# KiCad board panel.opm-lowside.kicad_pcb (continued)
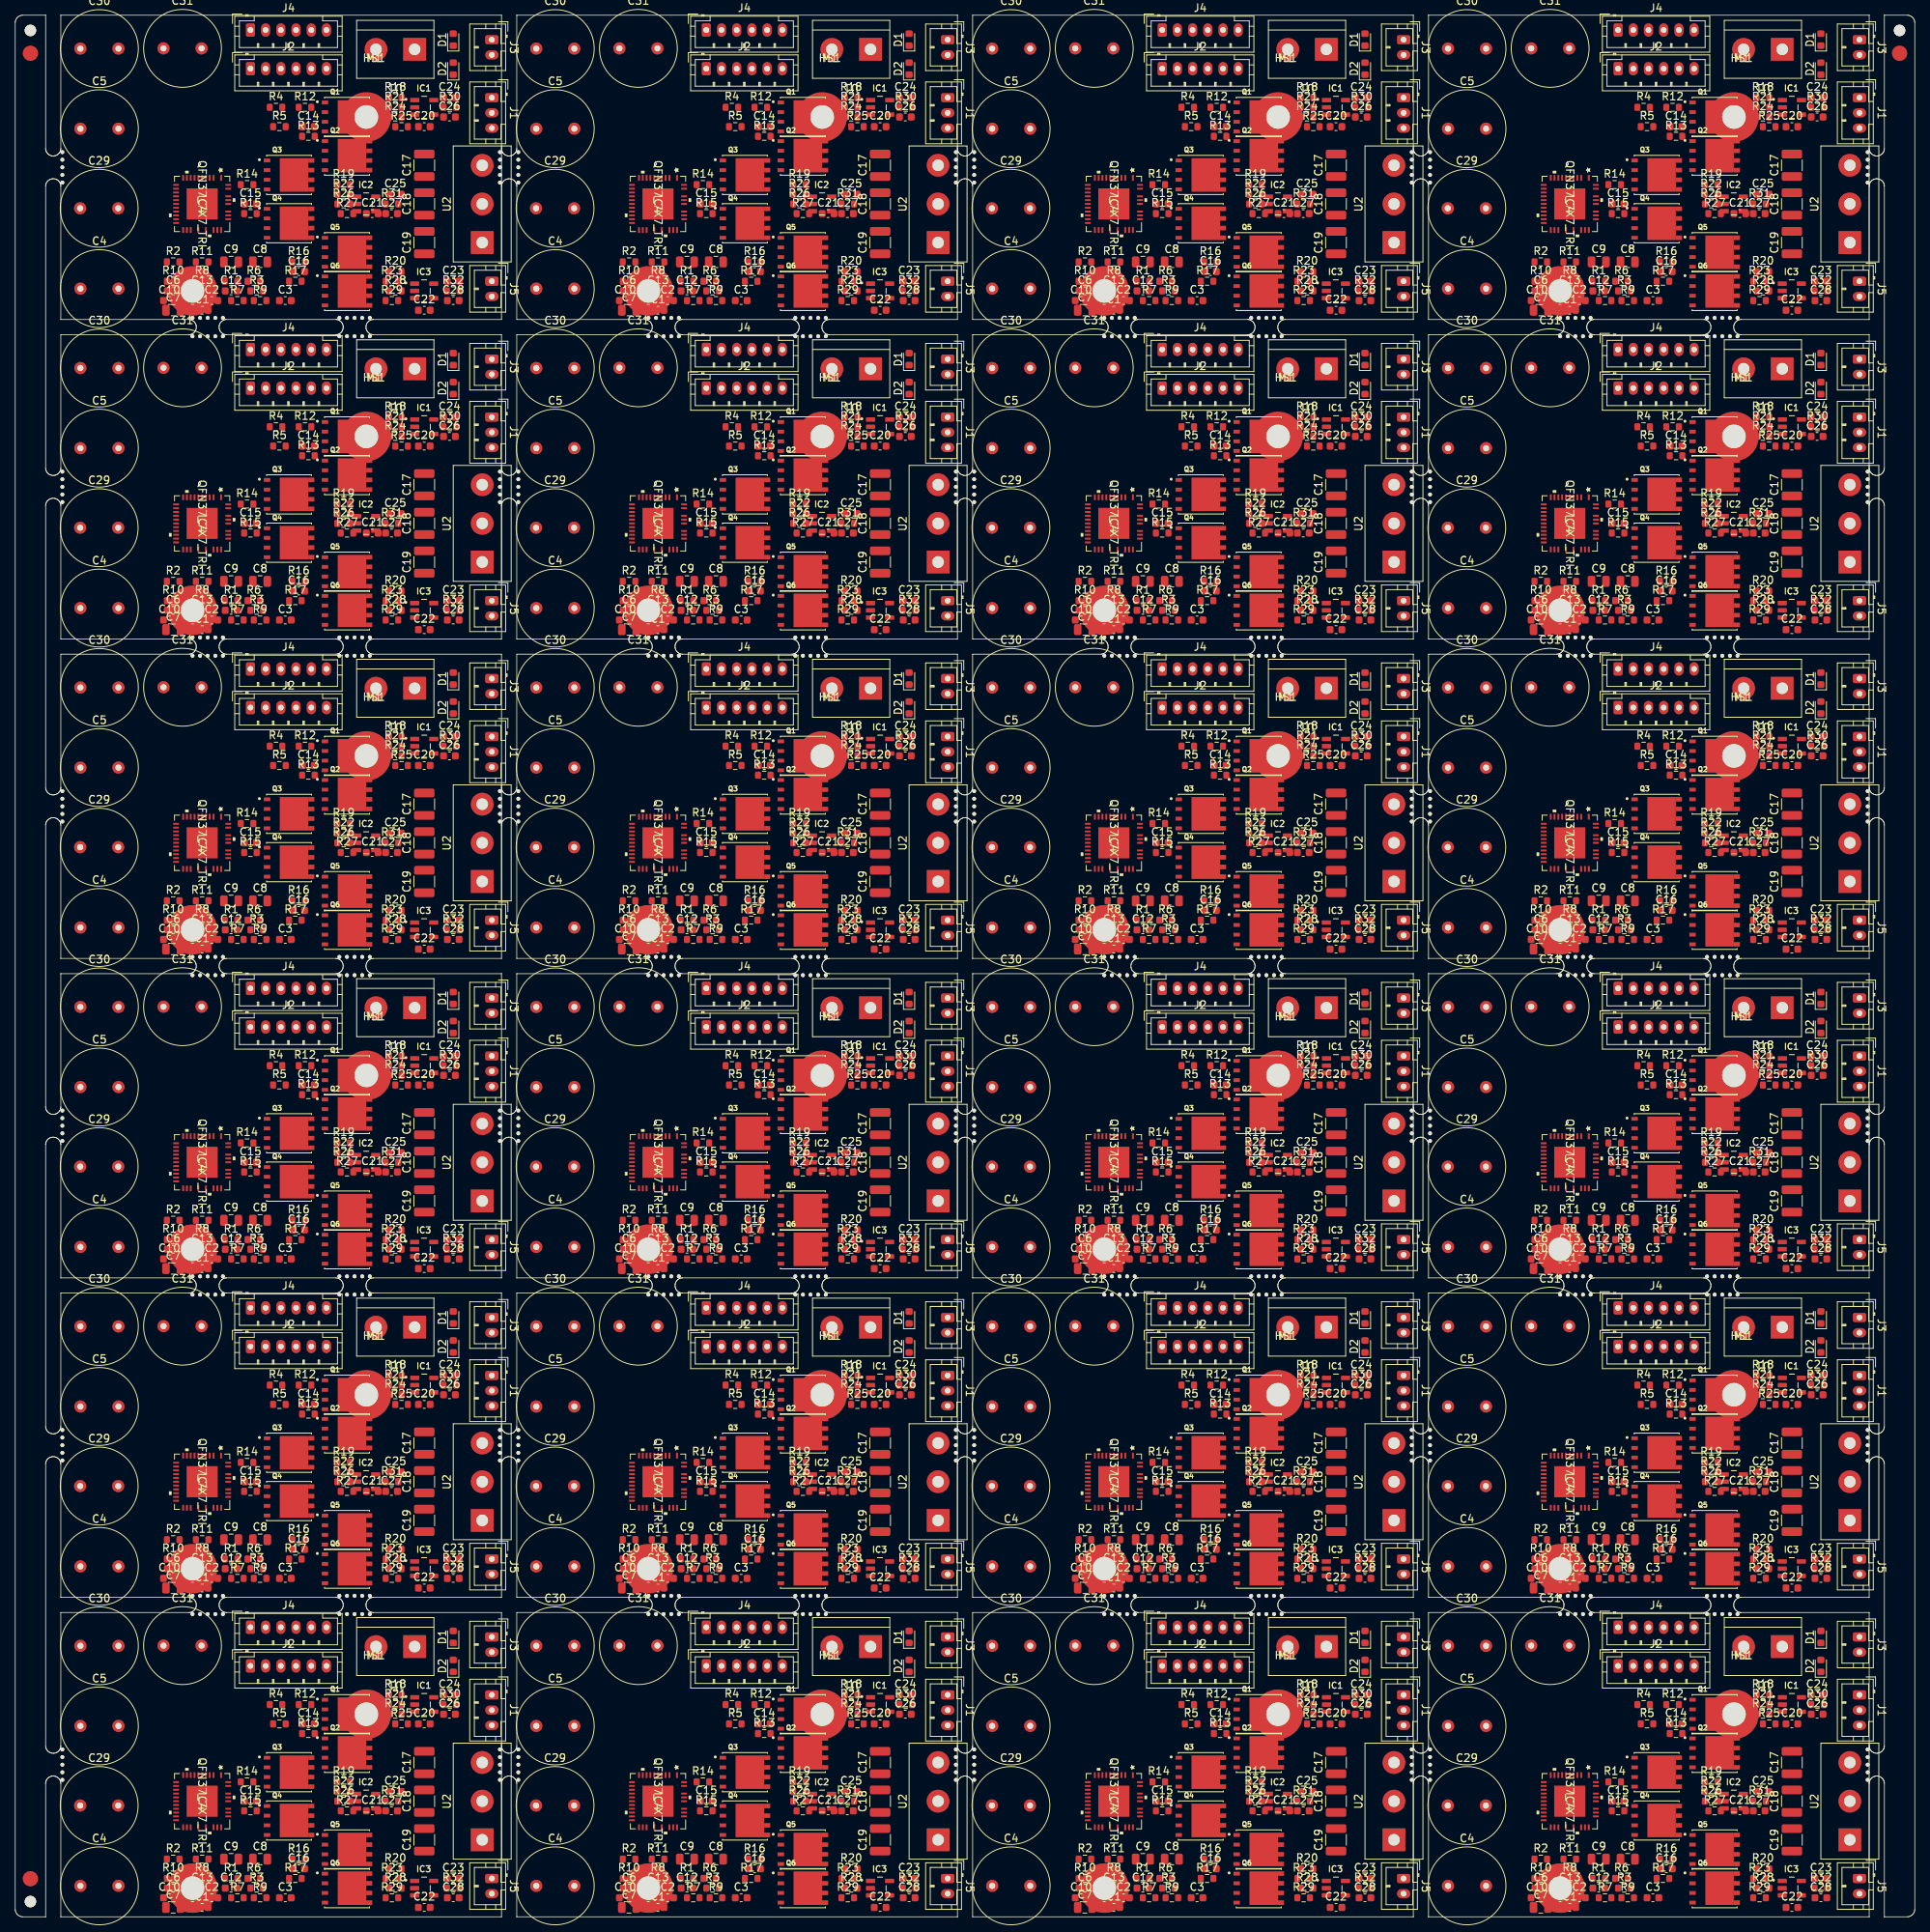
[diagram p0: board, top side]
## Nets (continued)
Board_18-Net-(C16-Pad1): C16#19.1 IC4#19.32 Q5#19.5 Q5#19.6 Q5#19.7 Q5#19.8 Q6#19.1 Q6#19.2 Q6#19.3
Board_18-Net-(C16-Pad2): C16#19.2 IC4#19.30
Board_18-Net-(C20-Pad1): C20#19.1 IC1#19.3 R24#19.1
Board_18-Net-(C20-Pad2): C20#19.2 IC1#19.4 R25#19.1
Board_18-Net-(C21-Pad1): C21#19.1 IC2#19.3 R26#19.1
Board_18-Net-(C21-Pad2): C21#19.2 IC2#19.4 R27#19.1
Board_18-Net-(C22-Pad1): C22#19.1 IC3#19.3 R28#19.1
Board_18-Net-(C22-Pad2): C22#19.2 IC3#19.4 R29#19.1
Board_18-Net-(C23-Pad2): C23#19.2 IC3#19.5
Board_18-Net-(C24-Pad2): C24#19.2 IC1#19.5
Board_18-Net-(C25-Pad2): C25#19.2 IC2#19.5
Board_18-Net-(D1-Pad2): D1#19.2 R4#19.1
Board_18-Net-(D2-Pad2): D2#19.2 R5#19.1
Board_18-Net-(IC1-Pad1): IC1#19.1 R30#19.2
Board_18-Net-(IC2-Pad1): IC2#19.1 R31#19.2
Board_18-Net-(IC3-Pad1): IC3#19.1 R32#19.2
Board_18-Net-(IC4-Pad2): IC4#19.2
Board_18-Net-(IC4-Pad3): IC4#19.3 R17#19.2
Board_18-Net-(IC4-Pad4): IC4#19.4 R15#19.2
Board_18-Net-(IC4-Pad5): IC4#19.5 R13#19.2
Board_18-Net-(IC4-Pad21): IC4#19.21 R11#19.1
Board_18-Net-(IC4-Pad31): IC4#19.31 R16#19.2
Board_18-Net-(IC4-Pad34): IC4#19.34 R14#19.2
Board_18-Net-(IC4-Pad37): IC4#19.37 R12#19.2
Board_18-Net-(Q1-Pad4): Q1#19.4 R12#19.1
Board_18-Net-(Q2-Pad4): Q2#19.4 R13#19.1
Board_18-Net-(Q2-Pad5): Q2#19.5 Q2#19.6 Q2#19.7 Q2#19.8 R18#19.1 R21#19.1 R24#19.2
Board_18-Net-(Q3-Pad4): Q3#19.4 R14#19.1
Board_18-Net-(Q4-Pad4): Q4#19.4 R15#19.1
Board_18-Net-(Q4-Pad5): Q4#19.5 Q4#19.6 Q4#19.7 Q4#19.8 R19#19.1 R22#19.1 R26#19.2
Board_18-Net-(Q5-Pad4): Q5#19.4 R16#19.1
Board_18-Net-(Q6-Pad4): Q6#19.4 R17#19.1
Board_18-Net-(Q6-Pad5): Q6#19.5 Q6#19.6 Q6#19.7 Q6#19.8 R20#19.1 R23#19.1 R28#19.2
Board_18-Net-(R1-Pad1): R1#19.1
Board_18-Net-(R1-Pad2): R1#19.2 R2#19.1
Board_18-Net-(R10-Pad2): R10#19.2
Board_18-Net-(R20-Pad2): R20#19.2 R23#19.2 R29#19.2
Board_18-U-IA-IDC: C26#19.1 R30#19.1
Board_18-V-IA-IDC: C27#19.1 R31#19.1
Board_18-W-IA-IDC: C28#19.1 R32#19.1
Board_19-+5V: C1#20.2 C2#20.2 C3#20.2 C4#20.2 C5#20.2 C6#20.2 C7#20.2 C8#20.2 C9#20.2 C10#20.2 C12#20.1 C17#20.2 C18#20.2 C19#20.2 C23#20.1 C24#20.1 C25#20.1 C26#20.2 C27#20.2 C28#20.2 C29#20.2 C30#20.2 C31#20.2 D1#20.1 D2#20.1 IC1#20.2 IC2#20.2 IC3#20.2 IC4#20.8 IC4#20.9 J3#20.2 J5#20.2 R3#20.2 R7#20.2 R9#20.2 R11#20.2 R18#20.2 R19#20.2 R21#20.2 R22#20.2 R25#20.2 R27#20.2 U1#20.1
Board_19-/+VM: C4#20.1 C5#20.1 C12#20.2 C13#20.2 C17#20.1 C18#20.1 C19#20.1 C29#20.1 C30#20.1 C31#20.1 IC4#20.28 Q1#20.1 Q1#20.2 Q1#20.3 Q3#20.1 Q3#20.2 Q3#20.3 Q5#20.1 Q5#20.2 Q5#20.3 U1#20.2
Board_19-/ADC_I_u: J1#20.1
Board_19-/ADC_I_w: J1#20.3
Board_19-/Connectors/ADC_I_v: J1#20.2
Board_19-/Connectors/FAULT: J2#20.6
Board_19-/Connectors/Fault: R5#20.2
Board_19-/Connectors/SPI1_MISO: J2#20.4
Board_19-/Connectors/SPI1_MOSI: J2#20.3
Board_19-/Connectors/SPI1_SCK: J2#20.2
Board_19-/Connectors/VOFS: R6#20.2 R7#20.1
Board_19-/DRV_EN: IC4#20.24 J2#20.5
Board_19-/Fault: IC4#20.23
Board_19-/Motor Driver/SPI2_MISO: IC4#20.13
Board_19-/SPE: IC4#20.22 R8#20.2 R9#20.1
Board_19-/SPI2_MOSI: IC4#20.12
Board_19-/SPI2_SCK: IC4#20.11
Board_19-/U: C3#20.1 U2#20.3
Board_19-/UH: IC4#20.14 J4#20.6
Board_19-/UL: IC4#20.15 J4#20.5
Board_19-/V: C2#20.1 U2#20.2
Board_19-/VCP: C13#20.1 IC4#20.29
Board_19-/VH: IC4#20.17 J4#20.4
Board_19-/VL: IC4#20.18 J4#20.3
Board_19-/VSA: C7#20.1 IC4#20.25 R10#20.1
Board_19-/W: C1#20.1 U2#20.1
Board_19-/WH: IC4#20.19 J4#20.2
Board_19-/WL: IC4#20.20 J4#20.1
Board_19-/~{CS_DRIVER}: IC4#20.10 J2#20.1
Board_19-Net-(C6-Pad1): C6#20.1 J5#20.1 R2#20.2 R3#20.1
Board_19-Net-(C11-Pad1): C11#20.1 IC4#20.27
Board_19-Net-(C11-Pad2): C11#20.2 IC4#20.26
Board_19-Net-(C14-Pad1): C14#20.1 IC4#20.36 Q1#20.5 Q1#20.6 Q1#20.7 Q1#20.8 Q2#20.1 Q2#20.2 Q2#20.3
Board_19-Net-(C14-Pad2): C14#20.2 IC4#20.1
Board_19-Net-(C15-Pad1): C15#20.1 IC4#20.33 Q3#20.5 Q3#20.6 Q3#20.7 Q3#20.8 Q4#20.1 Q4#20.2 Q4#20.3
Board_19-Net-(C15-Pad2): C15#20.2 IC4#20.35
Board_19-Net-(C16-Pad1): C16#20.1 IC4#20.32 Q5#20.5 Q5#20.6 Q5#20.7 Q5#20.8 Q6#20.1 Q6#20.2 Q6#20.3
Board_19-Net-(C16-Pad2): C16#20.2 IC4#20.30
Board_19-Net-(C20-Pad1): C20#20.1 IC1#20.3 R24#20.1
Board_19-Net-(C20-Pad2): C20#20.2 IC1#20.4 R25#20.1
Board_19-Net-(C21-Pad1): C21#20.1 IC2#20.3 R26#20.1
Board_19-Net-(C21-Pad2): C21#20.2 IC2#20.4 R27#20.1
Board_19-Net-(C22-Pad1): C22#20.1 IC3#20.3 R28#20.1
Board_19-Net-(C22-Pad2): C22#20.2 IC3#20.4 R29#20.1
Board_19-Net-(C23-Pad2): C23#20.2 IC3#20.5
Board_19-Net-(C24-Pad2): C24#20.2 IC1#20.5
Board_19-Net-(C25-Pad2): C25#20.2 IC2#20.5
Board_19-Net-(D1-Pad2): D1#20.2 R4#20.1
Board_19-Net-(D2-Pad2): D2#20.2 R5#20.1
Board_19-Net-(IC1-Pad1): IC1#20.1 R30#20.2
Board_19-Net-(IC2-Pad1): IC2#20.1 R31#20.2
Board_19-Net-(IC3-Pad1): IC3#20.1 R32#20.2
Board_19-Net-(IC4-Pad2): IC4#20.2
Board_19-Net-(IC4-Pad3): IC4#20.3 R17#20.2
Board_19-Net-(IC4-Pad4): IC4#20.4 R15#20.2
Board_19-Net-(IC4-Pad5): IC4#20.5 R13#20.2
Board_19-Net-(IC4-Pad21): IC4#20.21 R11#20.1
Board_19-Net-(IC4-Pad31): IC4#20.31 R16#20.2
Board_19-Net-(IC4-Pad34): IC4#20.34 R14#20.2
Board_19-Net-(IC4-Pad37): IC4#20.37 R12#20.2
Board_19-Net-(Q1-Pad4): Q1#20.4 R12#20.1
Board_19-Net-(Q2-Pad4): Q2#20.4 R13#20.1
Board_19-Net-(Q2-Pad5): Q2#20.5 Q2#20.6 Q2#20.7 Q2#20.8 R18#20.1 R21#20.1 R24#20.2
Board_19-Net-(Q3-Pad4): Q3#20.4 R14#20.1
Board_19-Net-(Q4-Pad4): Q4#20.4 R15#20.1
Board_19-Net-(Q4-Pad5): Q4#20.5 Q4#20.6 Q4#20.7 Q4#20.8 R19#20.1 R22#20.1 R26#20.2
Board_19-Net-(Q5-Pad4): Q5#20.4 R16#20.1
Board_19-Net-(Q6-Pad4): Q6#20.4 R17#20.1
Board_19-Net-(Q6-Pad5): Q6#20.5 Q6#20.6 Q6#20.7 Q6#20.8 R20#20.1 R23#20.1 R28#20.2
Board_19-Net-(R1-Pad1): R1#20.1
Board_19-Net-(R1-Pad2): R1#20.2 R2#20.1
Board_19-Net-(R10-Pad2): R10#20.2
Board_19-Net-(R20-Pad2): R20#20.2 R23#20.2 R29#20.2
Board_19-U-IA-IDC: C26#20.1 R30#20.1
Board_19-V-IA-IDC: C27#20.1 R31#20.1
Board_19-W-IA-IDC: C28#20.1 R32#20.1
Board_20-+5V: C1#21.2 C2#21.2 C3#21.2 C4#21.2 C5#21.2 C6#21.2 C7#21.2 C8#21.2 C9#21.2 C10#21.2 C12#21.1 C17#21.2 C18#21.2 C19#21.2 C23#21.1 C24#21.1 C25#21.1 C26#21.2 C27#21.2 C28#21.2 C29#21.2 C30#21.2 C31#21.2 D1#21.1 D2#21.1 IC1#21.2 IC2#21.2 IC3#21.2 IC4#21.8 IC4#21.9 J3#21.2 J5#21.2 R3#21.2 R7#21.2 R9#21.2 R11#21.2 R18#21.2 R19#21.2 R21#21.2 R22#21.2 R25#21.2 R27#21.2 U1#21.1
Board_20-/+VM: C4#21.1 C5#21.1 C12#21.2 C13#21.2 C17#21.1 C18#21.1 C19#21.1 C29#21.1 C30#21.1 C31#21.1 IC4#21.28 Q1#21.1 Q1#21.2 Q1#21.3 Q3#21.1 Q3#21.2 Q3#21.3 Q5#21.1 Q5#21.2 Q5#21.3 U1#21.2
Board_20-/ADC_I_u: J1#21.1
Board_20-/ADC_I_w: J1#21.3
Board_20-/Connectors/ADC_I_v: J1#21.2
Board_20-/Connectors/FAULT: J2#21.6
Board_20-/Connectors/Fault: R5#21.2
Board_20-/Connectors/SPI1_MISO: J2#21.4
Board_20-/Connectors/SPI1_MOSI: J2#21.3
Board_20-/Connectors/SPI1_SCK: J2#21.2
Board_20-/Connectors/VOFS: R6#21.2 R7#21.1
Board_20-/DRV_EN: IC4#21.24 J2#21.5
Board_20-/Fault: IC4#21.23
Board_20-/Motor Driver/SPI2_MISO: IC4#21.13
Board_20-/SPE: IC4#21.22 R8#21.2 R9#21.1
Board_20-/SPI2_MOSI: IC4#21.12
Board_20-/SPI2_SCK: IC4#21.11
Board_20-/U: C3#21.1 U2#21.3
Board_20-/UH: IC4#21.14 J4#21.6
Board_20-/UL: IC4#21.15 J4#21.5
Board_20-/V: C2#21.1 U2#21.2
Board_20-/VCP: C13#21.1 IC4#21.29
Board_20-/VH: IC4#21.17 J4#21.4
Board_20-/VL: IC4#21.18 J4#21.3
Board_20-/VSA: C7#21.1 IC4#21.25 R10#21.1
Board_20-/W: C1#21.1 U2#21.1
Board_20-/WH: IC4#21.19 J4#21.2
Board_20-/WL: IC4#21.20 J4#21.1
Board_20-/~{CS_DRIVER}: IC4#21.10 J2#21.1
Board_20-Net-(C6-Pad1): C6#21.1 J5#21.1 R2#21.2 R3#21.1
Board_20-Net-(C11-Pad1): C11#21.1 IC4#21.27
Board_20-Net-(C11-Pad2): C11#21.2 IC4#21.26
Board_20-Net-(C14-Pad1): C14#21.1 IC4#21.36 Q1#21.5 Q1#21.6 Q1#21.7 Q1#21.8 Q2#21.1 Q2#21.2 Q2#21.3
Board_20-Net-(C14-Pad2): C14#21.2 IC4#21.1
Board_20-Net-(C15-Pad1): C15#21.1 IC4#21.33 Q3#21.5 Q3#21.6 Q3#21.7 Q3#21.8 Q4#21.1 Q4#21.2 Q4#21.3
Board_20-Net-(C15-Pad2): C15#21.2 IC4#21.35
Board_20-Net-(C16-Pad1): C16#21.1 IC4#21.32 Q5#21.5 Q5#21.6 Q5#21.7 Q5#21.8 Q6#21.1 Q6#21.2 Q6#21.3
Board_20-Net-(C16-Pad2): C16#21.2 IC4#21.30
Board_20-Net-(C20-Pad1): C20#21.1 IC1#21.3 R24#21.1
Board_20-Net-(C20-Pad2): C20#21.2 IC1#21.4 R25#21.1
Board_20-Net-(C21-Pad1): C21#21.1 IC2#21.3 R26#21.1
Board_20-Net-(C21-Pad2): C21#21.2 IC2#21.4 R27#21.1
Board_20-Net-(C22-Pad1): C22#21.1 IC3#21.3 R28#21.1
Board_20-Net-(C22-Pad2): C22#21.2 IC3#21.4 R29#21.1
Board_20-Net-(C23-Pad2): C23#21.2 IC3#21.5
Board_20-Net-(C24-Pad2): C24#21.2 IC1#21.5
Board_20-Net-(C25-Pad2): C25#21.2 IC2#21.5
Board_20-Net-(D1-Pad2): D1#21.2 R4#21.1
Board_20-Net-(D2-Pad2): D2#21.2 R5#21.1
Board_20-Net-(IC1-Pad1): IC1#21.1 R30#21.2
Board_20-Net-(IC2-Pad1): IC2#21.1 R31#21.2
Board_20-Net-(IC3-Pad1): IC3#21.1 R32#21.2
Board_20-Net-(IC4-Pad2): IC4#21.2
Board_20-Net-(IC4-Pad3): IC4#21.3 R17#21.2
Board_20-Net-(IC4-Pad4): IC4#21.4 R15#21.2
Board_20-Net-(IC4-Pad5): IC4#21.5 R13#21.2
Board_20-Net-(IC4-Pad21): IC4#21.21 R11#21.1
Board_20-Net-(IC4-Pad31): IC4#21.31 R16#21.2
Board_20-Net-(IC4-Pad34): IC4#21.34 R14#21.2
Board_20-Net-(IC4-Pad37): IC4#21.37 R12#21.2
Board_20-Net-(Q1-Pad4): Q1#21.4 R12#21.1
Board_20-Net-(Q2-Pad4): Q2#21.4 R13#21.1
Board_20-Net-(Q2-Pad5): Q2#21.5 Q2#21.6 Q2#21.7 Q2#21.8 R18#21.1 R21#21.1 R24#21.2
Board_20-Net-(Q3-Pad4): Q3#21.4 R14#21.1
Board_20-Net-(Q4-Pad4): Q4#21.4 R15#21.1
Board_20-Net-(Q4-Pad5): Q4#21.5 Q4#21.6 Q4#21.7 Q4#21.8 R19#21.1 R22#21.1 R26#21.2
Board_20-Net-(Q5-Pad4): Q5#21.4 R16#21.1
Board_20-Net-(Q6-Pad4): Q6#21.4 R17#21.1
Board_20-Net-(Q6-Pad5): Q6#21.5 Q6#21.6 Q6#21.7 Q6#21.8 R20#21.1 R23#21.1 R28#21.2
Board_20-Net-(R1-Pad1): R1#21.1
Board_20-Net-(R1-Pad2): R1#21.2 R2#21.1
Board_20-Net-(R10-Pad2): R10#21.2
Board_20-Net-(R20-Pad2): R20#21.2 R23#21.2 R29#21.2
Board_20-U-IA-IDC: C26#21.1 R30#21.1
Board_20-V-IA-IDC: C27#21.1 R31#21.1
Board_20-W-IA-IDC: C28#21.1 R32#21.1
Board_21-+5V: C1#22.2 C2#22.2 C3#22.2 C4#22.2 C5#22.2 C6#22.2 C7#22.2 C8#22.2 C9#22.2 C10#22.2 C12#22.1 C17#22.2 C18#22.2 C19#22.2 C23#22.1 C24#22.1 C25#22.1 C26#22.2 C27#22.2 C28#22.2 C29#22.2 C30#22.2 C31#22.2 D1#22.1 D2#22.1 IC1#22.2 IC2#22.2 IC3#22.2 IC4#22.8 IC4#22.9 J3#22.2 J5#22.2 R3#22.2 R7#22.2 R9#22.2 R11#22.2 R18#22.2 R19#22.2 R21#22.2 R22#22.2 R25#22.2 R27#22.2 U1#22.1
Board_21-/+VM: C4#22.1 C5#22.1 C12#22.2 C13#22.2 C17#22.1 C18#22.1 C19#22.1 C29#22.1 C30#22.1 C31#22.1 IC4#22.28 Q1#22.1 Q1#22.2 Q1#22.3 Q3#22.1 Q3#22.2 Q3#22.3 Q5#22.1 Q5#22.2 Q5#22.3 U1#22.2
Board_21-/ADC_I_u: J1#22.1
Board_21-/ADC_I_w: J1#22.3
Board_21-/Connectors/ADC_I_v: J1#22.2
Board_21-/Connectors/FAULT: J2#22.6
Board_21-/Connectors/Fault: R5#22.2
Board_21-/Connectors/SPI1_MISO: J2#22.4
Board_21-/Connectors/SPI1_MOSI: J2#22.3
Board_21-/Connectors/SPI1_SCK: J2#22.2
Board_21-/Connectors/VOFS: R6#22.2 R7#22.1
Board_21-/DRV_EN: IC4#22.24 J2#22.5
Board_21-/Fault: IC4#22.23
Board_21-/Motor Driver/SPI2_MISO: IC4#22.13
Board_21-/SPE: IC4#22.22 R8#22.2 R9#22.1
Board_21-/SPI2_MOSI: IC4#22.12
Board_21-/SPI2_SCK: IC4#22.11
Board_21-/U: C3#22.1 U2#22.3
Board_21-/UH: IC4#22.14 J4#22.6
Board_21-/UL: IC4#22.15 J4#22.5
Board_21-/V: C2#22.1 U2#22.2
Board_21-/VCP: C13#22.1 IC4#22.29
Board_21-/VH: IC4#22.17 J4#22.4
Board_21-/VL: IC4#22.18 J4#22.3
Board_21-/VSA: C7#22.1 IC4#22.25 R10#22.1
Board_21-/W: C1#22.1 U2#22.1
Board_21-/WH: IC4#22.19 J4#22.2
Board_21-/WL: IC4#22.20 J4#22.1
Board_21-/~{CS_DRIVER}: IC4#22.10 J2#22.1
Board_21-Net-(C6-Pad1): C6#22.1 J5#22.1 R2#22.2 R3#22.1
Board_21-Net-(C11-Pad1): C11#22.1 IC4#22.27
Board_21-Net-(C11-Pad2): C11#22.2 IC4#22.26
Board_21-Net-(C14-Pad1): C14#22.1 IC4#22.36 Q1#22.5 Q1#22.6 Q1#22.7 Q1#22.8 Q2#22.1 Q2#22.2 Q2#22.3
Board_21-Net-(C14-Pad2): C14#22.2 IC4#22.1
Board_21-Net-(C15-Pad1): C15#22.1 IC4#22.33 Q3#22.5 Q3#22.6 Q3#22.7 Q3#22.8 Q4#22.1 Q4#22.2 Q4#22.3
Board_21-Net-(C15-Pad2): C15#22.2 IC4#22.35
Board_21-Net-(C16-Pad1): C16#22.1 IC4#22.32 Q5#22.5 Q5#22.6 Q5#22.7 Q5#22.8 Q6#22.1 Q6#22.2 Q6#22.3
Board_21-Net-(C16-Pad2): C16#22.2 IC4#22.30
Board_21-Net-(C20-Pad1): C20#22.1 IC1#22.3 R24#22.1
Board_21-Net-(C20-Pad2): C20#22.2 IC1#22.4 R25#22.1
Board_21-Net-(C21-Pad1): C21#22.1 IC2#22.3 R26#22.1
Board_21-Net-(C21-Pad2): C21#22.2 IC2#22.4 R27#22.1
Board_21-Net-(C22-Pad1): C22#22.1 IC3#22.3 R28#22.1
Board_21-Net-(C22-Pad2): C22#22.2 IC3#22.4 R29#22.1
Board_21-Net-(C23-Pad2): C23#22.2 IC3#22.5
Board_21-Net-(C24-Pad2): C24#22.2 IC1#22.5
Board_21-Net-(C25-Pad2): C25#22.2 IC2#22.5
Board_21-Net-(D1-Pad2): D1#22.2 R4#22.1
Board_21-Net-(D2-Pad2): D2#22.2 R5#22.1
Board_21-Net-(IC1-Pad1): IC1#22.1 R30#22.2
Board_21-Net-(IC2-Pad1): IC2#22.1 R31#22.2
Board_21-Net-(IC3-Pad1): IC3#22.1 R32#22.2
Board_21-Net-(IC4-Pad2): IC4#22.2
Board_21-Net-(IC4-Pad3): IC4#22.3 R17#22.2
Board_21-Net-(IC4-Pad4): IC4#22.4 R15#22.2
Board_21-Net-(IC4-Pad5): IC4#22.5 R13#22.2
Board_21-Net-(IC4-Pad21): IC4#22.21 R11#22.1
Board_21-Net-(IC4-Pad31): IC4#22.31 R16#22.2
Board_21-Net-(IC4-Pad34): IC4#22.34 R14#22.2
Board_21-Net-(IC4-Pad37): IC4#22.37 R12#22.2
Board_21-Net-(Q1-Pad4): Q1#22.4 R12#22.1
Board_21-Net-(Q2-Pad4): Q2#22.4 R13#22.1
Board_21-Net-(Q2-Pad5): Q2#22.5 Q2#22.6 Q2#22.7 Q2#22.8 R18#22.1 R21#22.1 R24#22.2
Board_21-Net-(Q3-Pad4): Q3#22.4 R14#22.1
Board_21-Net-(Q4-Pad4): Q4#22.4 R15#22.1
Board_21-Net-(Q4-Pad5): Q4#22.5 Q4#22.6 Q4#22.7 Q4#22.8 R19#22.1 R22#22.1 R26#22.2
Board_21-Net-(Q5-Pad4): Q5#22.4 R16#22.1
Board_21-Net-(Q6-Pad4): Q6#22.4 R17#22.1
Board_21-Net-(Q6-Pad5): Q6#22.5 Q6#22.6 Q6#22.7 Q6#22.8 R20#22.1 R23#22.1 R28#22.2
Board_21-Net-(R1-Pad1): R1#22.1
Board_21-Net-(R1-Pad2): R1#22.2 R2#22.1
Board_21-Net-(R10-Pad2): R10#22.2
Board_21-Net-(R20-Pad2): R20#22.2 R23#22.2 R29#22.2
Board_21-U-IA-IDC: C26#22.1 R30#22.1
Board_21-V-IA-IDC: C27#22.1 R31#22.1
Board_21-W-IA-IDC: C28#22.1 R32#22.1
Board_22-+5V: C1#23.2 C2#23.2 C3#23.2 C4#23.2 C5#23.2 C6#23.2 C7#23.2 C8#23.2 C9#23.2 C10#23.2 C12#23.1 C17#23.2 C18#23.2 C19#23.2 C23#23.1 C24#23.1 C25#23.1 C26#23.2 C27#23.2 C28#23.2 C29#23.2 C30#23.2 C31#23.2 D1#23.1 D2#23.1 IC1#23.2 IC2#23.2 IC3#23.2 IC4#23.8 IC4#23.9 J3#23.2 J5#23.2 R3#23.2 R7#23.2 R9#23.2 R11#23.2 R18#23.2 R19#23.2 R21#23.2 R22#23.2 R25#23.2 R27#23.2 U1#23.1
Board_22-/+VM: C4#23.1 C5#23.1 C12#23.2 C13#23.2 C17#23.1 C18#23.1 C19#23.1 C29#23.1 C30#23.1 C31#23.1 IC4#23.28 Q1#23.1 Q1#23.2 Q1#23.3 Q3#23.1 Q3#23.2 Q3#23.3 Q5#23.1 Q5#23.2 Q5#23.3 U1#23.2
Board_22-/ADC_I_u: J1#23.1
Board_22-/ADC_I_w: J1#23.3
Board_22-/Connectors/ADC_I_v: J1#23.2
Board_22-/Connectors/FAULT: J2#23.6
Board_22-/Connectors/Fault: R5#23.2
Board_22-/Connectors/SPI1_MISO: J2#23.4
Board_22-/Connectors/SPI1_MOSI: J2#23.3
Board_22-/Connectors/SPI1_SCK: J2#23.2
Board_22-/Connectors/VOFS: R6#23.2 R7#23.1
Board_22-/DRV_EN: IC4#23.24 J2#23.5
Board_22-/Fault: IC4#23.23
Board_22-/Motor Driver/SPI2_MISO: IC4#23.13
Board_22-/SPE: IC4#23.22 R8#23.2 R9#23.1
Board_22-/SPI2_MOSI: IC4#23.12
Board_22-/SPI2_SCK: IC4#23.11
Board_22-/U: C3#23.1 U2#23.3
Board_22-/UH: IC4#23.14 J4#23.6
Board_22-/UL: IC4#23.15 J4#23.5
Board_22-/V: C2#23.1 U2#23.2
Board_22-/VCP: C13#23.1 IC4#23.29
Board_22-/VH: IC4#23.17 J4#23.4
Board_22-/VL: IC4#23.18 J4#23.3
Board_22-/VSA: C7#23.1 IC4#23.25 R10#23.1
Board_22-/W: C1#23.1 U2#23.1
Board_22-/WH: IC4#23.19 J4#23.2
Board_22-/WL: IC4#23.20 J4#23.1
Board_22-/~{CS_DRIVER}: IC4#23.10 J2#23.1
Board_22-Net-(C6-Pad1): C6#23.1 J5#23.1 R2#23.2 R3#23.1
Board_22-Net-(C11-Pad1): C11#23.1 IC4#23.27
Board_22-Net-(C11-Pad2): C11#23.2 IC4#23.26
Board_22-Net-(C14-Pad1): C14#23.1 IC4#23.36 Q1#23.5 Q1#23.6 Q1#23.7 Q1#23.8 Q2#23.1 Q2#23.2 Q2#23.3
Board_22-Net-(C14-Pad2): C14#23.2 IC4#23.1
Board_22-Net-(C15-Pad1): C15#23.1 IC4#23.33 Q3#23.5 Q3#23.6 Q3#23.7 Q3#23.8 Q4#23.1 Q4#23.2 Q4#23.3
Board_22-Net-(C15-Pad2): C15#23.2 IC4#23.35
Board_22-Net-(C16-Pad1): C16#23.1 IC4#23.32 Q5#23.5 Q5#23.6 Q5#23.7 Q5#23.8 Q6#23.1 Q6#23.2 Q6#23.3
Board_22-Net-(C16-Pad2): C16#23.2 IC4#23.30
Board_22-Net-(C20-Pad1): C20#23.1 IC1#23.3 R24#23.1
Board_22-Net-(C20-Pad2): C20#23.2 IC1#23.4 R25#23.1
Board_22-Net-(C21-Pad1): C21#23.1 IC2#23.3 R26#23.1
Board_22-Net-(C21-Pad2): C21#23.2 IC2#23.4 R27#23.1
Board_22-Net-(C22-Pad1): C22#23.1 IC3#23.3 R28#23.1
Board_22-Net-(C22-Pad2): C22#23.2 IC3#23.4 R29#23.1
Board_22-Net-(C23-Pad2): C23#23.2 IC3#23.5
Board_22-Net-(C24-Pad2): C24#23.2 IC1#23.5
Board_22-Net-(C25-Pad2): C25#23.2 IC2#23.5
Board_22-Net-(D1-Pad2): D1#23.2 R4#23.1
Board_22-Net-(D2-Pad2): D2#23.2 R5#23.1
Board_22-Net-(IC1-Pad1): IC1#23.1 R30#23.2
Board_22-Net-(IC2-Pad1): IC2#23.1 R31#23.2
Board_22-Net-(IC3-Pad1): IC3#23.1 R32#23.2
Board_22-Net-(IC4-Pad2): IC4#23.2
Board_22-Net-(IC4-Pad3): IC4#23.3 R17#23.2
Board_22-Net-(IC4-Pad4): IC4#23.4 R15#23.2
Board_22-Net-(IC4-Pad5): IC4#23.5 R13#23.2
Board_22-Net-(IC4-Pad21): IC4#23.21 R11#23.1
Board_22-Net-(IC4-Pad31): IC4#23.31 R16#23.2
Board_22-Net-(IC4-Pad34): IC4#23.34 R14#23.2
Board_22-Net-(IC4-Pad37): IC4#23.37 R12#23.2
Board_22-Net-(Q1-Pad4): Q1#23.4 R12#23.1
Board_22-Net-(Q2-Pad4): Q2#23.4 R13#23.1
Board_22-Net-(Q2-Pad5): Q2#23.5 Q2#23.6 Q2#23.7 Q2#23.8 R18#23.1 R21#23.1 R24#23.2
Board_22-Net-(Q3-Pad4): Q3#23.4 R14#23.1
Board_22-Net-(Q4-Pad4): Q4#23.4 R15#23.1
Board_22-Net-(Q4-Pad5): Q4#23.5 Q4#23.6 Q4#23.7 Q4#23.8 R19#23.1 R22#23.1 R26#23.2
Board_22-Net-(Q5-Pad4): Q5#23.4 R16#23.1
Board_22-Net-(Q6-Pad4): Q6#23.4 R17#23.1
Board_22-Net-(Q6-Pad5): Q6#23.5 Q6#23.6 Q6#23.7 Q6#23.8 R20#23.1 R23#23.1 R28#23.2
Board_22-Net-(R1-Pad1): R1#23.1
Board_22-Net-(R1-Pad2): R1#23.2 R2#23.1
Board_22-Net-(R10-Pad2): R10#23.2
Board_22-Net-(R20-Pad2): R20#23.2 R23#23.2 R29#23.2
Board_22-U-IA-IDC: C26#23.1 R30#23.1
Board_22-V-IA-IDC: C27#23.1 R31#23.1
Board_22-W-IA-IDC: C28#23.1 R32#23.1
Board_23-+5V: C1#24.2 C2#24.2 C3#24.2 C4#24.2 C5#24.2 C6#24.2 C7#24.2 C8#24.2 C9#24.2 C10#24.2 C12#24.1 C17#24.2 C18#24.2 C19#24.2 C23#24.1 C24#24.1 C25#24.1 C26#24.2 C27#24.2 C28#24.2 C29#24.2 C30#24.2 C31#24.2 D1#24.1 D2#24.1 IC1#24.2 IC2#24.2 IC3#24.2 IC4#24.8 IC4#24.9 J3#24.2 J5#24.2 R3#24.2 R7#24.2 R9#24.2 R11#24.2 R18#24.2 R19#24.2 R21#24.2 R22#24.2 R25#24.2 R27#24.2 U1#24.1
Board_23-/+VM: C4#24.1 C5#24.1 C12#24.2 C13#24.2 C17#24.1 C18#24.1 C19#24.1 C29#24.1 C30#24.1 C31#24.1 IC4#24.28 Q1#24.1 Q1#24.2 Q1#24.3 Q3#24.1 Q3#24.2 Q3#24.3 Q5#24.1 Q5#24.2 Q5#24.3 U1#24.2
Board_23-/ADC_I_u: J1#24.1
Board_23-/ADC_I_w: J1#24.3
Board_23-/Connectors/ADC_I_v: J1#24.2
Board_23-/Connectors/FAULT: J2#24.6
Board_23-/Connectors/Fault: R5#24.2
Board_23-/Connectors/SPI1_MISO: J2#24.4
Board_23-/Connectors/SPI1_MOSI: J2#24.3
Board_23-/Connectors/SPI1_SCK: J2#24.2
Board_23-/Connectors/VOFS: R6#24.2 R7#24.1
Board_23-/DRV_EN: IC4#24.24 J2#24.5
Board_23-/Fault: IC4#24.23
Board_23-/Motor Driver/SPI2_MISO: IC4#24.13
Board_23-/SPE: IC4#24.22 R8#24.2 R9#24.1
Board_23-/SPI2_MOSI: IC4#24.12
Board_23-/SPI2_SCK: IC4#24.11
Board_23-/U: C3#24.1 U2#24.3
Board_23-/UH: IC4#24.14 J4#24.6
Board_23-/UL: IC4#24.15 J4#24.5
Board_23-/V: C2#24.1 U2#24.2
Board_23-/VCP: C13#24.1 IC4#24.29
Board_23-/VH: IC4#24.17 J4#24.4
Board_23-/VL: IC4#24.18 J4#24.3
Board_23-/VSA: C7#24.1 IC4#24.25 R10#24.1
Board_23-/W: C1#24.1 U2#24.1
Board_23-/WH: IC4#24.19 J4#24.2
Board_23-/WL: IC4#24.20 J4#24.1
Board_23-/~{CS_DRIVER}: IC4#24.10 J2#24.1
Board_23-Net-(C6-Pad1): C6#24.1 J5#24.1 R2#24.2 R3#24.1
Board_23-Net-(C11-Pad1): C11#24.1 IC4#24.27
Board_23-Net-(C11-Pad2): C11#24.2 IC4#24.26
Board_23-Net-(C14-Pad1): C14#24.1 IC4#24.36 Q1#24.5 Q1#24.6 Q1#24.7 Q1#24.8 Q2#24.1 Q2#24.2 Q2#24.3
Board_23-Net-(C14-Pad2): C14#24.2 IC4#24.1
Board_23-Net-(C15-Pad1): C15#24.1 IC4#24.33 Q3#24.5 Q3#24.6 Q3#24.7 Q3#24.8 Q4#24.1 Q4#24.2 Q4#24.3
Board_23-Net-(C15-Pad2): C15#24.2 IC4#24.35
Board_23-Net-(C16-Pad1): C16#24.1 IC4#24.32 Q5#24.5 Q5#24.6 Q5#24.7 Q5#24.8 Q6#24.1 Q6#24.2 Q6#24.3
Board_23-Net-(C16-Pad2): C16#24.2 IC4#24.30
Board_23-Net-(C20-Pad1): C20#24.1 IC1#24.3 R24#24.1
Board_23-Net-(C20-Pad2): C20#24.2 IC1#24.4 R25#24.1
Board_23-Net-(C21-Pad1): C21#24.1 IC2#24.3 R26#24.1
Board_23-Net-(C21-Pad2): C21#24.2 IC2#24.4 R27#24.1
Board_23-Net-(C22-Pad1): C22#24.1 IC3#24.3 R28#24.1
Board_23-Net-(C22-Pad2): C22#24.2 IC3#24.4 R29#24.1
Board_23-Net-(C23-Pad2): C23#24.2 IC3#24.5
Board_23-Net-(C24-Pad2): C24#24.2 IC1#24.5
Board_23-Net-(C25-Pad2): C25#24.2 IC2#24.5
Board_23-Net-(D1-Pad2): D1#24.2 R4#24.1
Board_23-Net-(D2-Pad2): D2#24.2 R5#24.1
Board_23-Net-(IC1-Pad1): IC1#24.1 R30#24.2
Board_23-Net-(IC2-Pad1): IC2#24.1 R31#24.2
Board_23-Net-(IC3-Pad1): IC3#24.1 R32#24.2
Board_23-Net-(IC4-Pad2): IC4#24.2
Board_23-Net-(IC4-Pad3): IC4#24.3 R17#24.2
Board_23-Net-(IC4-Pad4): IC4#24.4 R15#24.2
Board_23-Net-(IC4-Pad5): IC4#24.5 R13#24.2
Board_23-Net-(IC4-Pad21): IC4#24.21 R11#24.1
Board_23-Net-(IC4-Pad31): IC4#24.31 R16#24.2
Board_23-Net-(IC4-Pad34): IC4#24.34 R14#24.2
Board_23-Net-(IC4-Pad37): IC4#24.37 R12#24.2
Board_23-Net-(Q1-Pad4): Q1#24.4 R12#24.1
Board_23-Net-(Q2-Pad4): Q2#24.4 R13#24.1
Board_23-Net-(Q2-Pad5): Q2#24.5 Q2#24.6 Q2#24.7 Q2#24.8 R18#24.1 R21#24.1 R24#24.2
Board_23-Net-(Q3-Pad4): Q3#24.4 R14#24.1
Board_23-Net-(Q4-Pad4): Q4#24.4 R15#24.1
Board_23-Net-(Q4-Pad5): Q4#24.5 Q4#24.6 Q4#24.7 Q4#24.8 R19#24.1 R22#24.1 R26#24.2
Board_23-Net-(Q5-Pad4): Q5#24.4 R16#24.1
Board_23-Net-(Q6-Pad4): Q6#24.4 R17#24.1
Board_23-Net-(Q6-Pad5): Q6#24.5 Q6#24.6 Q6#24.7 Q6#24.8 R20#24.1 R23#24.1 R28#24.2
Board_23-Net-(R1-Pad1): R1#24.1
Board_23-Net-(R1-Pad2): R1#24.2 R2#24.1
Board_23-Net-(R10-Pad2): R10#24.2
Board_23-Net-(R20-Pad2): R20#24.2 R23#24.2 R29#24.2
Board_23-U-IA-IDC: C26#24.1 R30#24.1
Board_23-V-IA-IDC: C27#24.1 R31#24.1
Board_23-W-IA-IDC: C28#24.1 R32#24.1

Pads without a net: HS1 1; HS1#2 1; HS1#3 1; HS1#4 1; HS1#5 1; HS1#6 1; HS1#7 1; HS1#8 1; HS1#9 1; HS1#10 1; HS1#11 1; HS1#12 1; HS1#13 1; HS1#14 1; HS1#15 1; HS1#16 1; HS1#17 1; HS1#18 1; HS1#19 1; HS1#20 1; HS1#21 1; HS1#22 1; HS1#23 1; HS1#24 1; IC4 38; IC4#2 38; IC4#3 38; IC4#4 38; IC4#5 38; IC4#6 38; IC4#7 38; IC4#8 38; IC4#9 38; IC4#10 38; IC4#11 38; IC4#12 38; IC4#13 38; IC4#14 38; IC4#15 38; IC4#16 38; IC4#17 38; IC4#18 38; IC4#19 38; IC4#20 38; IC4#21 38; IC4#22 38; IC4#23 38; IC4#24 38; Q1 9; Q1#2 9; Q1#3 9; Q1#4 9; Q1#5 9; Q1#6 9; Q1#7 9; Q1#8 9; Q1#9 9; Q1#10 9; Q1#11 9; Q1#12 9; Q1#13 9; Q1#14 9; Q1#15 9; Q1#16 9; Q1#17 9; Q1#18 9; Q1#19 9; Q1#20 9; Q1#21 9; Q1#22 9; Q1#23 9; Q1#24 9; Q2 9; Q2#2 9; Q2#3 9; Q2#4 9; Q2#5 9; Q2#6 9; Q2#7 9; Q2#8 9; Q2#9 9; Q2#10 9; Q2#11 9; Q2#12 9; Q2#13 9; Q2#14 9; Q2#15 9; Q2#16 9; Q2#17 9; Q2#18 9; Q2#19 9; Q2#20 9; Q2#21 9; Q2#22 9; Q2#23 9; Q2#24 9; Q3 9; Q3#2 9; Q3#3 9; Q3#4 9; Q3#5 9; Q3#6 9; Q3#7 9; Q3#8 9; Q3#9 9; Q3#10 9; Q3#11 9; Q3#12 9; Q3#13 9; Q3#14 9; Q3#15 9; Q3#16 9; Q3#17 9; Q3#18 9; Q3#19 9; Q3#20 9; Q3#21 9; Q3#22 9; Q3#23 9; Q3#24 9; Q4 9; Q4#2 9; Q4#3 9; Q4#4 9; Q4#5 9; Q4#6 9; Q4#7 9; Q4#8 9; Q4#9 9; Q4#10 9; Q4#11 9; Q4#12 9; Q4#13 9; Q4#14 9; Q4#15 9; Q4#16 9; Q4#17 9; Q4#18 9; Q4#19 9; Q4#20 9; Q4#21 9; Q4#22 9; Q4#23 9; Q4#24 9; Q5 9; Q5#2 9; Q5#3 9; Q5#4 9; Q5#5 9; Q5#6 9; Q5#7 9; Q5#8 9; Q5#9 9; Q5#10 9; Q5#11 9; Q5#12 9; Q5#13 9; Q5#14 9; Q5#15 9; Q5#16 9; Q5#17 9; Q5#18 9; Q5#19 9; Q5#20 9; Q5#21 9; Q5#22 9; Q5#23 9; Q5#24 9; Q6 9; Q6#2 9; Q6#3 9; Q6#4 9; Q6#5 9; Q6#6 9; Q6#7 9; Q6#8 9; Q6#9 9; Q6#10 9; Q6#11 9; Q6#12 9; Q6#13 9; Q6#14 9; Q6#15 9; Q6#16 9; Q6#17 9; Q6#18 9; Q6#19 9; Q6#20 9; Q6#21 9; Q6#22 9; Q6#23 9; Q6#24 9
